# Altium PCB ADC130MSPS-V1-01.PcbDoc (part 3 of 7) (continued)
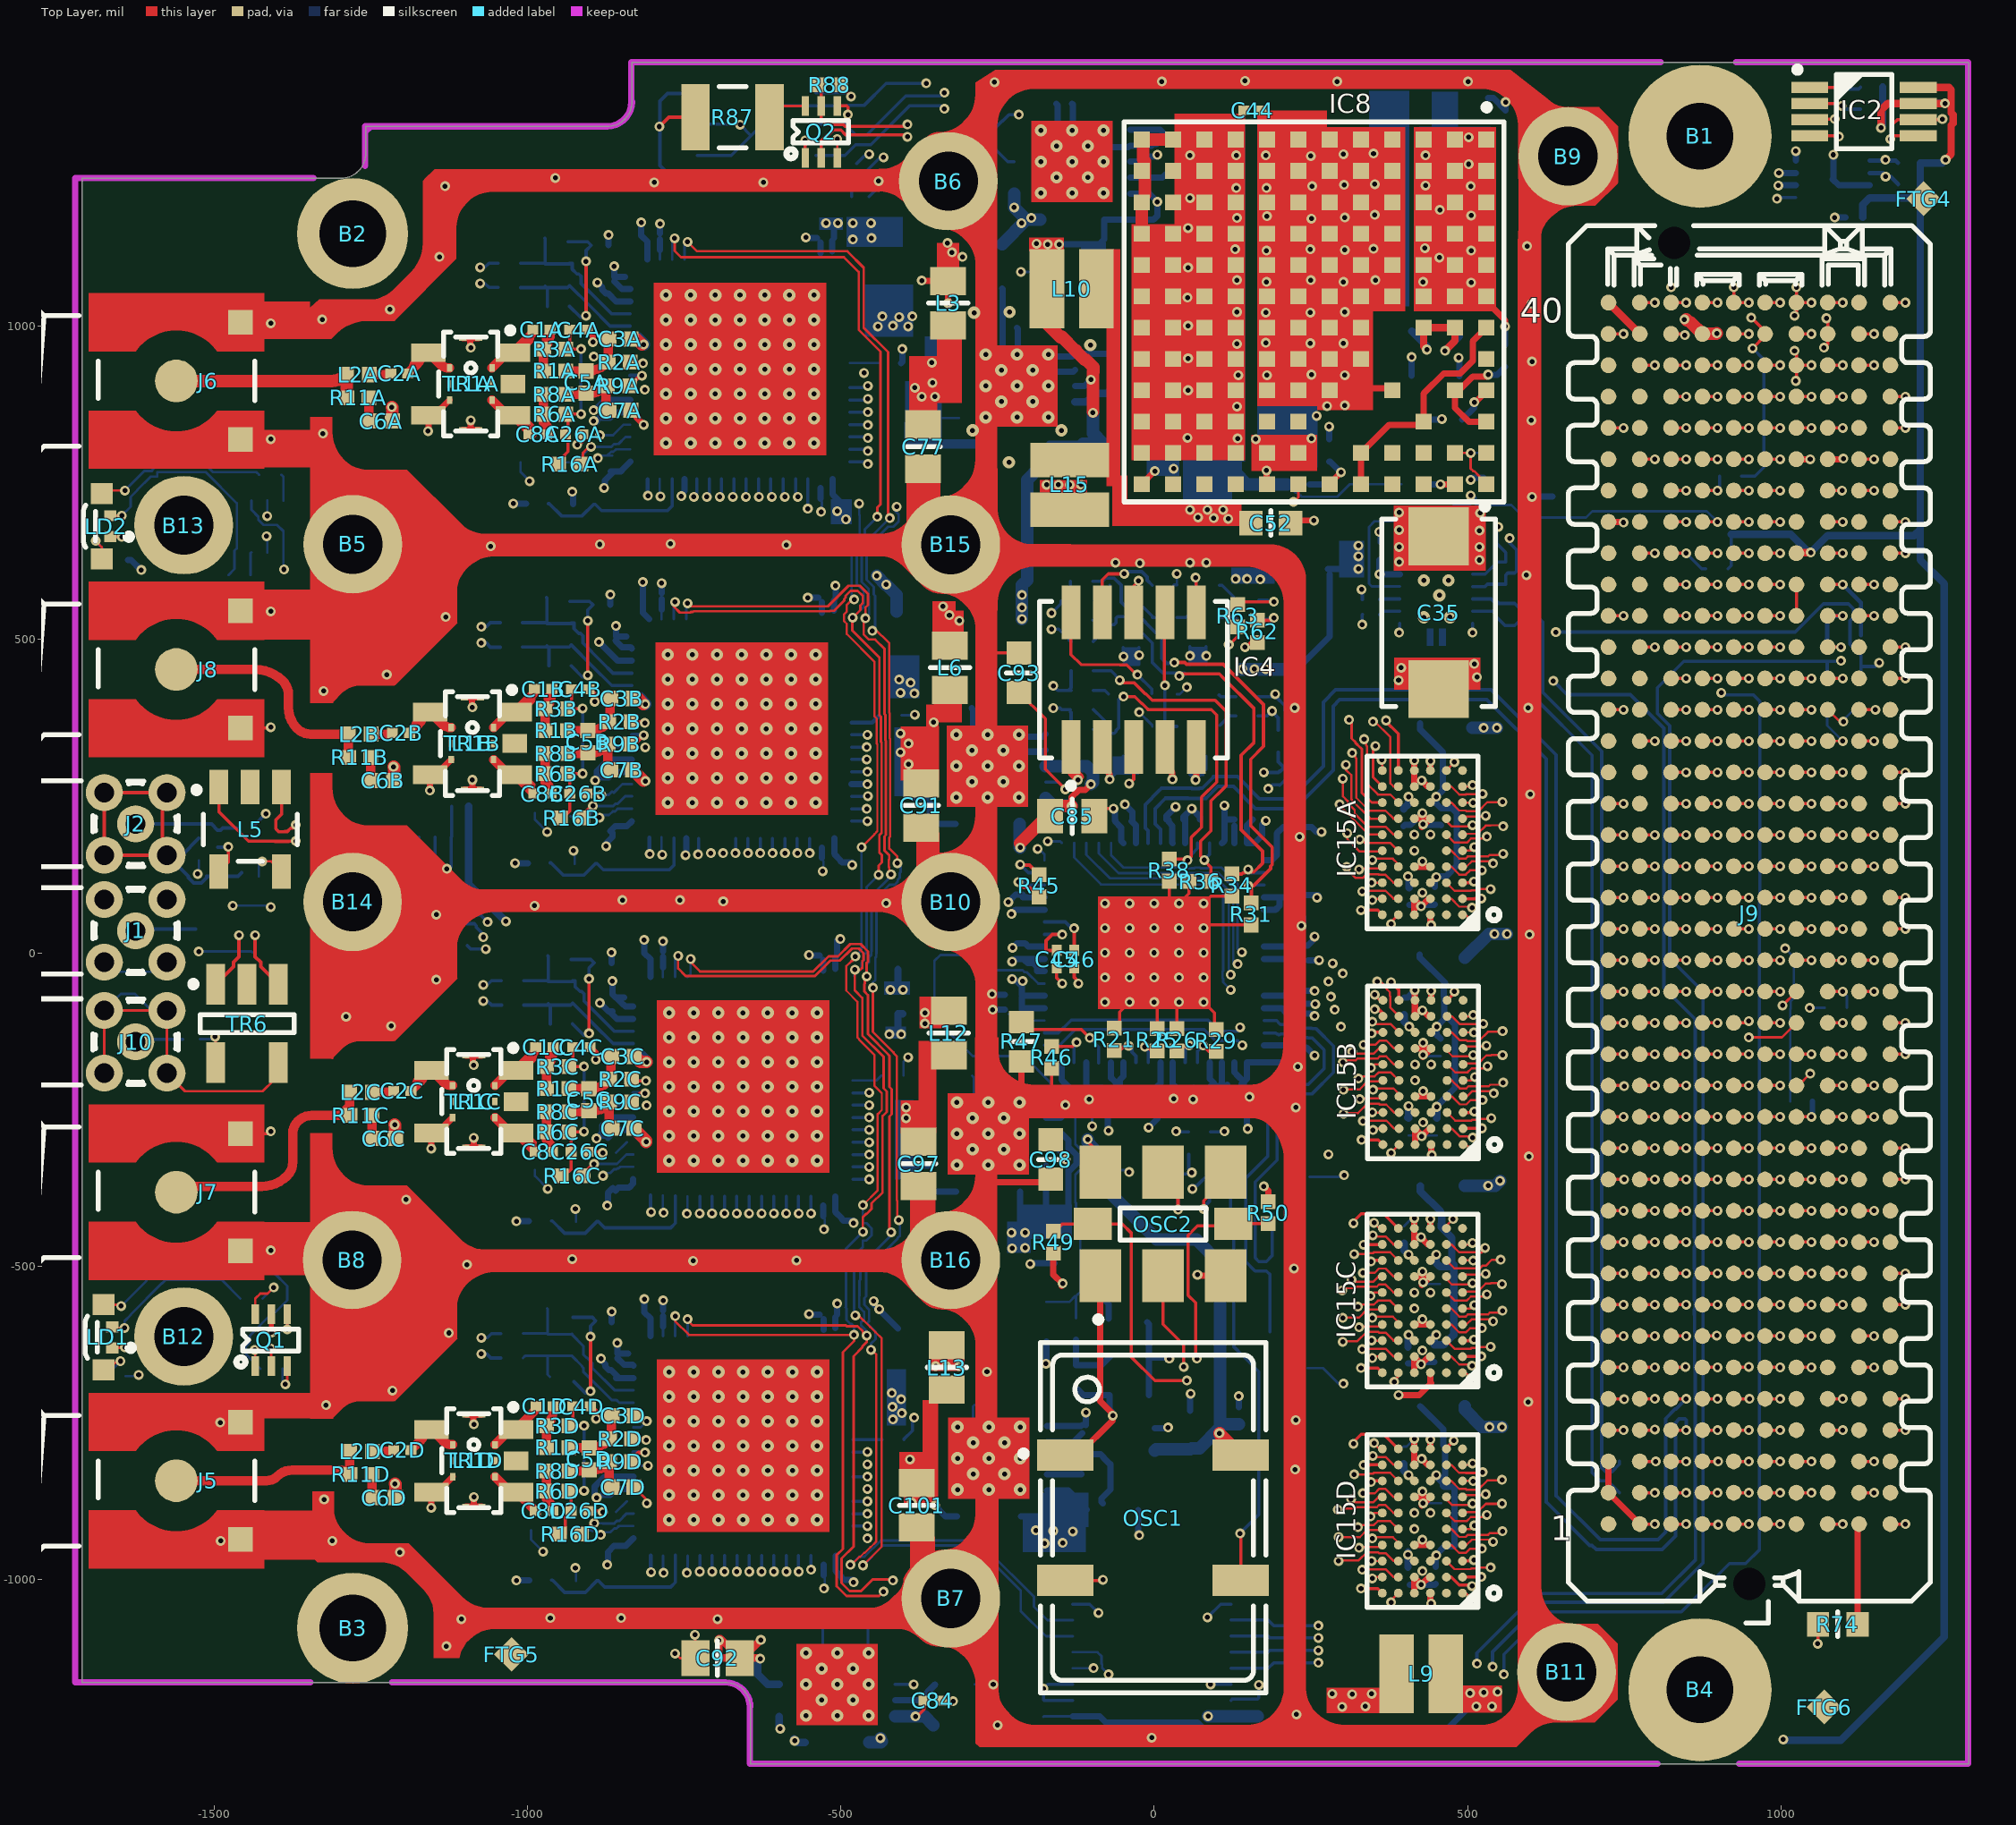
[diagram p0: Top Layer view]
## Nets (pads, with @x,y where several pads share a name; then routed paths per layer and width w, separated by ;. In a path a pad name is that pad's centre, name@x,y a point inside that pad or via, vN(x,y) a via of type N, cw(c..) or ccw(c..) an arc to the next point about the centre after c; other vN are vias at no path point) (continued)
  Bottom Layer w5: IC1A.42@-486,902.2 -459.66,902.2 v1(-457,904.86)
CH1.DA1: IC1A.43 IC15A.J6 | length 1292.8
  Top Layer w4: v1(353,330) 349.13,326.13 349.13,280.24 IC15A.J6@364.02,265.35
  L3 w5: v1(-457,884.11) -440,884.11 -381.26,825.37 -362.39,825.37 -339.67,802.66 -295.98,802.66 -194.32,701 -2,701 33,736 155.64,736 290.5,601.14 290.5,426.56 334.63,382.43 334.63,363.05 335.36,362.31 335.03,361.97 353,344 v1@353,331 ; v1@352.5,330.5 v1(353,330)
  Bottom Layer w5: IC1A.43@-486,882.52 -458.59,882.52 v1(-457,884.11)
CH1.DA2: IC1A.44 IC15A.H5 | length 1320.9
  Top Layer w3.5: v1(335,341) 338,338 338,331 339.38,329.62 339.38,270.25 357,252.62 376.75,252.62 IC15A.H5@389.61,239.76
  L3 w5: v1(-457,863.37) -440,863.37 -393.01,816.37 -364.71,816.37 -342.99,794.66 -299.3,794.66 -248.3,743.66 -199.64,695 -198.64,694 -197.64,693 -184.09,693 4,693 39,728 150.91,728 281.5,597.41 281.5,422.81 325.63,378.68 325.63,350.37 v1(335,341)
  Bottom Layer w5: IC1A.44@-486,862.83 -457.53,862.83 v1(-457,863.37)
CH1.DA3: IC1A.45 IC15A.H6 | length 1268.9
  Top Layer w4: v1(311,372) 312,372 313,373 315,373 315,342.33 321.13,336.21 321.13,335.25 329.25,327.13 330.21,327.13 331.63,325.71 331.63,255.37 347.24,239.76 IC15A.H6@364.02,239.76
  L3 w5: v1(-457,842.62) -440,842.62 -404.76,807.37 -367.02,807.37 -346.3,786.66 -302.61,786.66 -251.61,735.66 -202.95,687 -201.95,686 -200.95,685 -188.82,685 34,685 36,683 40.82,678.18 188,678.18 189.18,677 190.25,677 228,639.25 268,599.25 269.5,597.75 271.5,595.75 271.5,594.68 272.5,593.68 272.5,466.41 272,465.91 272,411 v1(311,372)
  Bottom Layer w5: IC1A.45@-486,843.15 -457.53,843.15 v1(-457,842.62)
CH1.DA4: IC1A.46 IC15A.G5 | length 1304.5
  Top Layer w3.5: v1(316,319) 320,323 321,323 321,311.61 322.5,310.11 322.5,247.5 343.19,226.81 369.26,226.81 381.9,214.17 IC15A.G5@389.61,214.17
  L3 w5: v1(-457,821.87) -440,821.87 -416.5,798.37 -369.33,798.37 -349.62,778.66 -305.92,778.66 -204.27,677 30.69,677 37.5,670.18 183.27,670.18 184.46,669 186.94,669 263.5,592.44 263.5,470.14 263,469.64 263,407.27 296.63,373.65 296.63,371.23 297.41,370.44 297.41,337.59 v1(316,319)
  Bottom Layer w5: IC1A.46@-486,823.46 -458.59,823.46 v1(-457,821.87)
CH1.DA5: IC1A.47 IC15A.G6 | length 1262.4
  Top Layer w3.5: v1(306,300) 306,291.62 306.64,291.62 314.62,283.64 314.62,245.42 315.12,244.92 315.12,243.88 344.83,214.17 IC15A.G6@364.02,214.17
  L3 w3.5: v1(306,300) 306,308.67
  L3 w5: v1(-457,801.12) -440,801.12 -428.25,789.37 -371.65,789.37 -352.93,770.66 -309.24,770.66 -207.58,669 27.37,669 34.19,662.18 178.54,662.18 179.73,661 183.63,661 254.5,590.13 254.5,473.87 254,473.37 254,403.54 287.63,369.92 287.63,368.92 289.41,367.13 289.41,332.86 301.63,320.65 301.63,313.05 306,308.67
  Bottom Layer w5: IC1A.47@-486,803.78 -459.66,803.78 v1(-457,801.12)
CH1.DA6: IC1A.48 IC15A.F5 | length 1285.5
  Top Layer w3.5: v1(301,278) 301,249.62 301.23,249.62 308.62,242.23 308.62,239.38 320,228 320,222 340.79,201.21 369.26,201.21 381.9,188.57 IC15A.F5@389.61,188.57
  L3 w5: v1(-457,780.37) -373.96,780.37 -356.24,762.66 -312.55,762.66 -210.89,661 24.06,661 30.88,654.18 173.82,654.18 175,653 180.31,653 245.5,587.81 245.5,477.6 245,477.1 245,400.23 281.41,363.82 281.41,328.13 291.63,317.92 291.63,294.05 v1@300.05,285.63
  Bottom Layer w5: IC1A.48@-486,784.09 -460.72,784.09 v1(-457,780.37)
CH1.DA7: IC1A.51 IC15A.F6 | length 1397.1
  Top Layer w3.5: v1(296,237) 294,235 296,235 342.43,188.57 IC15A.F6@364.02,188.57
  L3 w5: v1@-552.02,709 -552.02,697.02 -526.37,671.37 -396.07,671.37 -351.42,716.02 -285.02,716.02 -214,645 177,645 236,586 236,397.91 273.41,360.5 273.41,318.41 283,308.82 283,248 v1@295,236
  Bottom Layer w5: v1(-553,709) -552.93,709.07 IC1A.51@-552.93,756.54
CH1.DA8: IC1A.52 IC15A.E5 | length 1328.5
  Top Layer w3.5: v1@330,182 336.38,175.62 376.66,175.62 389.3,162.98 IC15A.E5@389.61,162.98
  L3 w5: v1(-568.89,728) -568.89,686.05 -545.21,662.37 -445.55,662.37 -443.55,660.37 -441.86,660.37 -435.49,654 -432.66,654 -355,576.34 -355,545.46 -323.54,514 -230.73,514 -172.1,455.37 -148.83,455.37 -131.63,438.17 -131.63,425.42 -115.63,409.42 -115.63,398.9 -79.35,362.63 -6.06,362.63 -3.06,365.63 129.12,365.63 129.49,366 138.31,366 139.57,367.25 213.26,367.25 275,305.51 275,238 279.63,233.37 279.63,230.37 282.48,230.37 300.85,212 301,212 307.63,205.37 313.95,205.37 322.37,196.95 322.37,190.63 328,185 v1(328,181)
  Bottom Layer w5: IC1A.52@-572.61,756.54 -572.61,731.72 v1(-568.89,728)
CH1.DA9: IC1A.53 IC15A.E6 | length 1326.4
  Top Layer w3.5: v1@308,189.38 308,181.73 328.11,161.62 362.66,161.62 IC15A.E6@364.02,162.98
  L3 w5: v1(-589.64,728) -589.64,693.96 -549.06,653.37 -449.28,653.37 -448.28,652.37 -445.17,652.37 -437.8,645 -436.39,645 -364,572.61 -364,541.73 -327.27,505 -234.46,505 -176.83,447.37 -169.85,447.37 -152.15,447.37 -139.63,434.85 -139.63,426.85 -139.63,425.23 -139.63,422.11 -123.63,406.11 -123.63,394.17 -108.46,379 -108.27,379 -107.27,378 -107,378 ; -108,379 -107,378 ; v1@308,189 296.37,200.63 296.37,205.17 279.17,222.37 273.57,222.37 270.63,225.32 270.63,226.37 267,230 267,274.01 267,302.2 229.2,340 211.2,358 197,358 195.75,359.25 184.15,359.25 142.88,359.25 141.63,358 132.8,358 132.43,357.63 0.25,357.63 -0.37,357 -2.75,354.63 -11.83,354.63 -25.09,354.63 -36.17,354.63 -82.67,354.63 -92.67,364.63 -93.63,364.63 -107,378
  Bottom Layer w5: IC1A.53@-592.3,756.54 -592.3,730.66 v1(-589.64,728)
  other v1: 308,191
CH1.DA10: IC1A.54 IC15A.D5 | length 1383.4
  Top Layer w3.5: v1@347.07,147.07 v1(348,148) 350.03,150.03 380.97,150.03 389.61,141.39 IC15A.D5@389.61,137.39
  L3 w5: v1(-610.39,728) -610.39,703.39 -551.37,644.37 -448.49,644.37 -373,568.89 -373,538 -331,496 -238.18,496 -181.56,439.37 -155.46,439.37 -147.63,431.54 -147.63,418.79 -131.63,402.79 -131.63,389.44 -97.81,355.63 -94.98,355.63 -85.98,346.63 0.57,346.63 3.57,349.63 135.74,349.63 136.12,350 144.94,350 146.19,351.25 191.02,351.25 192.27,350 207.88,350 259,298.88 259,220 264.63,214.37 275.85,214.37 288.37,201.85 288.37,190.63 293.63,185.37 293.63,185.05 302.05,176.63 302.37,176.63 330,149 v1@346,149 ; v1@346,148 v1(348,148)
  Bottom Layer w5: IC1A.54@-611.98,756.54 -611.98,729.59 v1(-610.39,728)
CH1.DA11: IC1A.55 IC15A.D6 | length 1384.3
  Top Layer w3.5: v1@325,135 325.62,134.38 361.01,134.38 IC15A.D6@364.02,137.39
  L3 w5: v1(-631.14,728) -631.14,664.78 -576.36,610 -502,610 -501.37,609.37 -499.32,609.37 -485.63,595.68 -485.63,595 -473,595 -412.27,534.27 -382,534.27 -334.73,487 -241.91,487 -174.37,419.46 -174.37,418.05 -168.33,412 -152.15,412 -139.63,399.48 -139.63,384.71 -101.54,346.63 -97.3,346.63 -89.3,338.63 -42.79,338.63 -31.72,338.63 -5.21,338.63 3.88,338.63 6.25,341 6.88,341.63 139.06,341.63 139.43,342 148.25,342 149.51,343.25 177.52,343.25 186.29,343.25 187.54,342 204.57,342 222.57,324 251,295.57 251,267.38 251,218.43 251,213 257.63,206.37 272.54,206.37 280.37,198.54 280.37,183.63 312.31,151.69 313.21,151.69 314.52,150.37 314.95,150.37 323.37,141.95 323.37,140.63 328,136 v1@328,134
  Bottom Layer w5: IC1A.55@-631.67,756.54 -631.67,728.53 v1(-631.14,728)
  other v1: 327,133
CH1.DA12: IC1A.56 IC15A.C5 | length 1445.7
  Top Layer w3.5: v1@306,137 306,134.73 321.36,119.38 332.64,119.38 338.89,125.62 357.61,125.62 358.79,124.44 369.26,124.44 381.9,111.8 IC15A.C5@389.61,111.8
  L3 w5: v1(-651.89,728) -651.89,668.92 -581.63,598.66 -516.66,598.66 -514.95,600.37 -503.05,600.37 -494.63,591.95 -494.63,589.9 -490.73,586 -476.73,586 -416,525.27 -385.73,525.27 -338.46,478 -245.64,478 -171.64,404 -155.46,404 -147.63,396.17 -147.63,379.99 -105.27,337.63 -99.61,337.63 -92.61,330.63 7.19,330.63 10.19,333.63 142.37,333.63 142.75,334 151.57,334 152.82,335.25 181.56,335.25 182.82,334 201.25,334 243,292.25 243,207.06 248.57,201.48 247.16,200.07 253.37,193.85 253.37,191.31 253.63,191.06 253.63,187.46 261.46,179.63 265.37,179.63 309,136 307,136 307.25,136.25 v1(307.25,137.32)
  Bottom Layer w5: v1(-651.89,728) -651.35,728.53 IC1A.56@-651.35,756.54
CH1.DA13: IC1A.57 IC15A.C6 | length 1423.8
  Top Layer w3.5: v1(347,112) 347.2,111.8 IC15A.C6@364.02,111.8
  L3 w5: v1(-672.63,728) -672.63,676.94 -577.07,581.37 -546.37,581.37 -538,573 -516.33,573 -514.95,571.63 -506.95,571.63 -484.95,549.63 -473.05,549.63 -470.67,552 -457,552 -415.18,510.18 -385,510.18 -320.45,445.63 -226,445.63 -190.37,410.01 -190.37,404.21 -174.37,388.21 -174.37,385.09 -166.54,377.25 -157.62,377.25 -108.99,328.63 -101.92,328.63 -95.92,322.63 -49.42,322.63 -38.34,322.63 1.42,322.63 10.51,322.63 12.88,325 13.51,325.63 145.68,325.63 146.06,326 154.88,326 156.13,327.25 170.89,327.25 172.75,327.25 174,326 197.94,326 215.94,308 235,288.94 235,260.76 235,225.06 235,205.06 233.63,203.69 237.63,199.7 237.63,198.29 245.37,190.54 245.37,188 245.63,187.75 245.63,184.15 258.15,171.63 260.65,171.63 ; 261,171.63 260.65,171.63 ; 301.62,122.62 301.3,122.94 ; v1(347,112) 338.33,112 337.95,112.37 337.63,112.37 336,114 311,114 302.06,122.94 301.3,122.94 ; 260.65,171.63 292.63,139.65 292.63,131.61 301.3,122.94
  Bottom Layer w5: v1(-672.63,728) -671.04,729.59 IC1A.57@-671.04,756.54
CH1.DA14: IC1A.58 IC15A.B5 | length 1488.8
  Top Layer w3.5: v1(332,98) 332.85,98.85 369.26,98.85 381.9,86.21 IC15A.B5@389.61,86.21
  L3 w5: v1(-693.38,728) -693.38,684.96 -533.42,525 -494.06,525 -466.78,497.73 -385.27,497.73 -324.18,436.63 -229.73,436.63 -198.37,405.28 -198.37,400.89 -182.37,384.89 -182.37,381.77 -169.85,369.25 -162.35,369.25 -112.72,319.63 -104.24,319.63 -99.24,314.63 -52.74,314.63 -41.66,314.63 4.74,314.63 13.82,314.63 16.2,317 16.82,317.63 149,317.63 149.37,318 158.2,318 158.82,318.63 159.45,319.25 167.58,319.25 168.02,319.25 169.27,318 194.63,318 227,285.63 227,208.37 217.37,198.75 217.37,188.08 217.63,187.83 217.63,179.05 252.41,144.26 267.46,144.26 278.35,133.37 278.79,133.37 305.37,106.79 305.37,106.35 313.73,98 v1(332,98)
  Bottom Layer w5: v1(-693.38,728) -690.72,730.66 IC1A.58@-690.72,756.54
CH1.DA15: IC1A.59 IC15A.B6 | length 1426.7
  Top Layer w3.5: v1(348,84) 348,85 349.21,86.21 IC15A.B6@364.02,86.21
  L3 w5: v1(-714.13,728) -714.13,692.98 -535.61,514.46 -496.24,514.46 -470.51,488.73 -389,488.73 -327.9,427.63 -233.46,427.63 -206.37,400.55 -206.37,397.58 -190.37,381.58 -190.37,378.46 -173.17,361.25 -167.08,361.25 -116.45,310.63 -106.55,310.63 -102.55,306.63 -56.05,306.63 17.14,306.63 20.14,309.63 96.37,309.63 173.63,232.37 186.85,232.37 187.23,232 191,232 208.37,214.63 208.37,184.35 208.63,184.1 208.63,176.58 248.94,136.26 264.15,136.26 275.04,125.37 275.48,125.37 297.37,103.48 297.37,103.04 303.31,97.1 303.31,95.47 307.89,90.89 ; 308,91 315.37,83.63 347.63,83.63 v1(348,84)
  Bottom Layer w5: v1(-714.13,728) -710.41,731.72 IC1A.59@-710.41,756.54
CH1.OF_A: IC1A.60 IC15A.A6 | length 1447.9
  Top Layer w5: v1(330,68) 356.65,68 IC15A.A6@364.02,60.62
  L3 w5: v1(-734.88,728) -734.88,701 -539.34,505.46 -499.97,505.46 -474.24,479.73 -392.73,479.73 -331.63,418.63 -237.18,418.63 -214.37,395.82 -214.37,394.27 -198.37,378.27 -198.37,375.15 -176.48,353.25 -171.8,353.25 -120.18,301.63 -108.86,301.63 -105.86,298.63 -59.36,298.63 20.45,298.63 23.45,301.63 56.69,301.63 93.06,301.63 124.69,270 170.69,224 172.09,224 172.46,224.37 183.54,224.37 183.91,224 199,208.91 199,203 199.37,203.37 199.37,180.63 199.63,180.37 199.63,174.26 245.63,128.26 260.84,128.26 271.73,117.37 272.17,117.37 289.37,100.17 289.37,99.73 295.31,93.79 295.31,90.74 318.06,68 v1@328,68
  Bottom Layer w5: v1(-734.88,728) -730.09,732.78 IC1A.60@-730.09,756.54
CH2.CLKOUTA: IC1B.41 IC15B.K5 | length 1095.4
  Top Layer w5: v3(378,-47) 390.64,-59.64 IC15B.K5@390.64,-75.91
  L3 w5: v1@-459,348.11 -458.42,348.11 -444.63,334.32 -444.63,333.74 -341.89,231 -147.91,231 -119.46,202.54 -10,202.54 -2,210.54 146.71,210.54 155.94,201.31 161.26,201.31 242.31,120.26 257.52,120.26 268.41,109.37 268.85,109.37 281.37,96.85 281.37,96.41 287.31,90.47 287.31,58.85 348,-1.83 348,-20 360.63,-32.63 361.54,-32.63 369.37,-40.46 369.37,-41.37 375,-47 v3(378,-47)
  Bottom Layer w5: IC1B.41@-483.28,347.89 -460.89,347.89 v1@-460,347
  other v1: -458,348
CH2.DA0: IC1B.42 IC15B.J5 | length 1108
  Top Layer w3.5: v3(356,-46) 361.38,-46 365.38,-50 365.38,-52.23 372,-58.85 372,-59 376,-63 376,-69.24 376.88,-70.12 376.88,-87.74 IC15B.J5@390.64,-101.5
  L3 w5: v1(-459,328.36) -458.42,328.36 -444.63,314.57 -444.63,313.99 -394.51,263.87 -387.51,263.87 -345.63,222 -185.85,222 -184.85,223 -151.23,223 -140.85,212.63 -122.77,194.54 -118.54,194.54 -32.83,194.54 -6.69,194.54 1.31,202.54 143.4,202.54 152.63,193.31 157.95,193.31 239,112.26 254.21,112.26 265.1,101.37 265.54,101.37 273.37,93.54 273.37,93.1 276.37,90.1 276.37,58.48 293.37,41.48 340,-5.15 340,-12.06 340,-28 v3@357,-45
  Bottom Layer w5: IC1B.42@-483.28,328.2 -459.16,328.2 v1(-459,328.36)
CH2.DA1: IC1B.43 IC15B.J6 | length 1081.9
  Top Layer w5: v3(352,-90) 355,-87 365.05,-97.05 IC15B.J6@365.05,-101.5
  L3 w5: v1(-459,308.61) -452.76,302.37 -452.46,302.37 -444.63,294.54 -444.63,294.24 -405.26,254.87 -391.23,254.87 -349.36,213 -183.54,213 -181.54,215 -154.54,215 -126.09,186.54 -3.37,186.54 4.63,194.54 140.08,194.54 149.31,185.31 154.64,185.31 231,108.95 231,103.63 233,101.63 233,83.63 244.25,72.37 251.17,72.37 332,-8.46 332,-69 v3@353,-90
  Bottom Layer w5: IC1B.43@-483.28,308.52 -459.09,308.52 v1(-459,308.61)
CH2.DA2: IC1B.44 IC15B.H5 | length 1107
  Top Layer w3.5: v3@353.22,-114.22 377.77,-114.22 IC15B.H5@390.64,-127.09
  L3 w5: v3(-458,289) -458.87,289 -459,288.87 -458.42,288.87 -444.63,275.07 -444.63,274.49 -416.01,245.87 -394.96,245.87 -353.09,204 -181.23,204 -178.23,207 -157.85,207 -129.4,178.54 -0.06,178.54 7.94,186.54 136.77,186.54 146,177.31 151.32,177.31 223,105.64 223,100.31 225,98.31 225,80.31 240.94,64.37 247.85,64.37 324,-11.77 324,-85 v3@348,-109
  Bottom Layer w5: IC1B.44@-483.28,288.83 -459.03,288.83 -458.87,289 v3(-458,289)
  other v3: 348,-110
CH2.DA3: IC1B.45 IC15B.H6 | length 1078.1
  Top Layer w5: v1(347.02,-128.84) 348.78,-127.09 IC15B.H6@365.05,-127.09
  L3 w5: v1@-452.12,269.12 -420,237 ; -420,236.87 -398.69,236.87 -356.82,195 -178.37,195 -178.37,195.54 -174.91,199 -161.17,199 -132.71,170.54 3.25,170.54 11.25,178.54 133.46,178.54 217,95 217,77 237.63,56.37 244.54,56.37 316,-15.09 316,-101 343.84,-128.84 v1(347.02,-128.84)
  Bottom Layer w10: IC1B.45@-483.28,269.15 v1@-459.03,269.15
  other v1: -458,269
CH2.DA4: IC1B.46 IC15B.G5 | length 1164.6
  Top Layer w3.5: v1(334.02,-146.84) 353.01,-146.84 359.81,-140.04 370.28,-140.04 382.92,-152.68 IC15B.G5@390.64,-152.68
  L3 w5: v1@-459,249.37 -452.91,249.37 -372,168.46 -372,126.65 -390.24,108.41 -390.24,101.76 -391,101 -391,54.18 -340.82,4 -295.27,4 -240,-51.27 -240,-60 -184.63,-115.37 -46.55,-115.37 78.37,-115.37 127,-164 196.37,-164 215,-145.37 240.9,-145.37 245.27,-141 245.94,-141 246.32,-140.63 265.68,-140.63 267.52,-142.47 319,-142.47 320,-143.47 321.98,-143.47 325.35,-146.84 v1(334.02,-146.84)
  Bottom Layer w5: IC1B.46@-483.28,249.46 -459.54,249.46 v1@-459,250
  other v1: -457,250
CH2.DA5: IC1B.47 IC15B.G6 | length 1175.3
  Top Layer w3.5: v1(316.02,-157.84) 319.52,-161.34 350.14,-161.34 358.81,-152.68 IC15B.G6@365.05,-152.68
  L3 w5: v1(-459,229.62) -458.42,229.62 -447.8,219 -435.27,219 -381,164.73 -381,130.38 -399.24,112.14 -399.24,105.49 -400,104.73 -400,50.46 -344.54,-5 -299,-5 -282.37,-21.63 -282.37,-75.68 -281.73,-76.33 -281.73,-104 -263.73,-122 -189.31,-122 -187.94,-123.37 -172.35,-123.37 -171.35,-124.37 -167.35,-124.37 -130.73,-161 -91,-161 -79.37,-172.63 206.03,-172.63 221.03,-157.63 242.05,-157.63 249,-150.67 ; 249,-150 249,-150.67 ; v1(316.02,-157.84) 270.17,-157.84 261.95,-149.63 250.05,-149.63 249,-150.67
  Bottom Layer w5: IC1B.47@-483.28,229.78 -459.16,229.78 v1(-459,229.62)
CH2.DA6: IC1B.48 IC15B.F5 | length 1172.1
  Top Layer w3.5: v1(301.02,-174.84) 304.4,-171.47 321.67,-171.47 324.16,-168.97 356.47,-168.97 359.81,-165.63 370.28,-165.63 382.92,-178.27 IC15B.F5@390.64,-178.27
  L3 w5: v1@-459,209.87 -438.87,209.87 -391,162 -391,133.11 -408.24,115.87 -408.24,109.22 -409,108.46 -409,46.73 -291.37,-70.9 -291.37,-79.41 -290.73,-80.06 -290.73,-107.73 -267.46,-131 -267,-131 -265,-133 -175.46,-133 -175.08,-133.37 -171.08,-133.37 -134.46,-170 -94.73,-170 -91.35,-173.37 -89.94,-173.37 -82.69,-180.63 -81.89,-180.63 131.21,-180.63 168.79,-180.63 203.61,-180.63 205.02,-180.63 206.44,-180.63 209.35,-180.63 223.35,-166.63 238.3,-166.63 250.05,-178.37 261.95,-178.37 265.49,-174.84 v1(301.02,-174.84)
  Bottom Layer w5: IC1B.48@-483.28,210.09 -458.09,210.09 v1(-458,210)
CH2.DA7: IC1B.51 IC15B.F6 | length 1125.1
  Top Layer w3.5: v1(346.02,-183.84) 351.6,-178.27 IC15B.F6@365.05,-178.27
  L3 w5: v1(-549.93,159) -544.56,153.63 -514.07,153.63 -497.09,136.64 -497.09,122.09 -300.37,-74.63 -300.37,-83.14 -299.73,-83.78 -299.73,-115 -270.73,-144 -270.46,-144 -269.73,-144.73 -172.46,-144.73 -138.18,-179 -98.46,-179 -95.08,-182.37 -92.25,-182.37 -86,-188.63 213.25,-188.63 221,-196.37 269.63,-196.37 274,-192 ; 274,-191.84 314.7,-191.84 320.07,-186.47 343.4,-186.47 v1(346.02,-183.84)
  Bottom Layer w5: IC1B.51@-550.21,182.54 -550.21,159.28 v1(-549.93,159)
CH2.DA8: IC1B.52 IC15B.E5 | length 1174.8
  Top Layer w3.5: v1(326.02,-200.84) 329.4,-197.47 351.67,-197.47 357.91,-191.22 377.69,-191.22 390.33,-203.86 IC15B.E5@390.64,-203.86
  L3 w5: v1(-569.68,159) -569.68,158.42 -555.88,144.63 -527.25,144.63 -527,144.37 -523.23,144.37 -514.81,135.95 -514.81,124.9 -312.18,-77.73 -312.18,-115.27 -274.46,-153 -274.18,-153 -273.46,-153.73 -176.18,-153.73 -141.91,-188 -102.18,-188 -98.81,-191.37 -94.57,-191.37 -89.32,-196.63 199.81,-196.63 208.56,-205.37 276.47,-205.37 281,-200.84 v1(326.02,-200.84)
  Bottom Layer w5: IC1B.52@-569.9,182.54 -569.9,159.22 v1(-569.68,159)
CH2.DA9: IC1B.53 IC15B.E6 | length 1163.3
  Top Layer w3.5: v1(302.02,-218.84) 302.65,-218.22 327.91,-218.22 340.91,-205.22 363.69,-205.22 IC15B.E6@365.05,-203.86
  L3 w5: v1(-589.43,159) -589.43,158.42 -533.01,102 -504.64,102 -321.18,-81.46 -321.18,-119 -278.18,-162 -277.91,-162 -277.18,-162.73 -179.91,-162.73 -145.64,-197 -105.91,-197 -102.54,-200.37 -96.88,-200.37 -92.63,-204.63 195.08,-204.63 204.83,-214.37 254.41,-214.37 259.12,-219.08 272.37,-219.08 272.61,-218.84 v1(302.02,-218.84)
  Bottom Layer w5: IC1B.53@-589.58,182.54 -589.58,159.16 v1(-589.43,159)
CH2.DA10: IC1B.54 IC15B.D5 | length 1223.9
  Top Layer w3.5: v1@348.1,-219.77 v1(349.02,-218.84) 351.06,-216.81 381.99,-216.81 390.64,-225.46 IC15B.D5@390.64,-229.45
  L3 w5: v1(-609.17,159) -609.17,158.42 -543.75,93 -508.37,93 -330.18,-85.18 -330.18,-122.73 -281.91,-171 -281.64,-171 -280.91,-171.73 -183.64,-171.73 -149.37,-206 -109.64,-206 -106.27,-209.37 -99.19,-209.37 -95.94,-212.63 190.35,-212.63 201.1,-223.37 250.69,-223.37 260.53,-233.22 307.98,-233.22 322.35,-218.84 v1(349.02,-218.84)
  Bottom Layer w5: IC1B.54@-609.27,182.54 -609.27,159.09 v1(-609.17,159)
CH2.DA11: IC1B.55 IC15B.D6 | length 1226.3
  Top Layer w3.5: v1@326.02,-231.84 326.65,-232.47 362.03,-232.47 IC15B.D6@365.05,-229.45
  L3 w5: v1(-628.92,159) -628.92,158.42 -554.5,84 -512.1,84 -339.18,-88.91 -339.18,-126.46 -285.64,-180 -285.37,-180 -284.64,-180.73 -187.37,-180.73 -153.1,-215 -113.37,-215 -109.99,-218.37 -101.51,-218.37 -99.26,-220.63 -98.46,-220.63 -97.71,-221.37 -82.63,-221.37 -56,-248 56.09,-248 56.46,-248.37 67.54,-248.37 67.91,-248 194.37,-248 210,-232.37 246.96,-232.37 256.8,-242.22 319.65,-242.22 v1(328.02,-233.84)
  Bottom Layer w5: v1@-628.95,159.03 IC1B.55@-628.95,182.54
CH2.DA12: IC1B.56 IC15B.C5 | length 1282.5
  Top Layer w3.5: v1(302.02,-256.84) 302.02,-255.84 325.29,-255.84 339.91,-241.22 358.63,-241.22 359.81,-242.4 370.28,-242.4 382.92,-255.04 IC15B.C5@390.64,-255.04
  L3 w5: v1(-648.67,159) -648.67,158.42 -565.25,75 -515,75 -348.18,-91.82 -348.18,-130.18 -289.37,-189 -289.1,-189 -288.37,-189.73 -191.1,-189.73 -156.82,-224 -135.67,-224 -127.63,-232.05 -127.63,-245.74 -117.74,-255.63 -107.85,-255.63 -90.15,-255.63 -88.15,-257.63 216.3,-257.63 220.05,-261.37 297.49,-261.37 v1(302.02,-256.84)
  Bottom Layer w5: v1(-648.67,159) IC1B.56@-648.64,182.54
CH2.DA13: IC1B.57 IC15B.C6 | length 1299
  Top Layer w3.5: v1(348.02,-254.84) 348.22,-255.04 IC15B.C6@365.05,-255.04
  L3 w5: v1(-668.42,159) -668.42,158.42 -576,66 -565.33,66 -500.95,1.63 -500.95,-25.32 -487.86,-38.41 -487.86,-38.68 -486.14,-40.41 ; -185,-212 -156.37,-240.63 -156.37,-248.95 -151.66,-253.66 ; -184.96,-211.96 -198.2,-198.73 -384.54,-198.73 -456.27,-127 -456.27,-70.27 -485.88,-40.66 ; -151,-253 -140.37,-263.63 -93.46,-263.63 -90.46,-266.63 -15.54,-266.63 -14.54,-265.63 -3.46,-265.63 -2.46,-266.63 212.57,-266.63 216.32,-270.37 283.37,-270.37 285.36,-272.36 299.23,-272.36 300.38,-271.22 307.98,-271.22 324.35,-254.84 326.7,-254.84 327.07,-254.47 338.98,-254.47 339.35,-254.84 v1(348.02,-254.84) ; -486.14,-40.41 -485.88,-40.66 ; -486.14,-40.41 -485.92,-40.41 -485.66,-40.66 -485.88,-40.66
  Bottom Layer w5: v1(-668.42,159) -668.32,159.09 IC1B.57@-668.32,182.54
CH2.DA14: IC1B.58 IC15B.B5 | length 1367.9
  Top Layer w3.5: v1(333.02,-268.84) 333.88,-267.99 370.28,-267.99 382.92,-280.63 IC15B.B5@390.64,-280.63
  L3 w5: v1(-688.17,159) -688.17,158.42 -586.75,57 -572.62,57 -509.95,-5.67 -509.95,-29.05 -496.86,-42.14 -496.86,-42.41 -465.27,-74 -465.27,-130.73 -414,-182 -395.54,-200.46 -394.13,-200.46 -387.86,-206.73 -201.51,-206.73 -193,-215.24 -193,-215.31 -168.63,-239.69 -167.37,-240.94 -167.37,-242.35 -165.37,-244.35 -165.37,-268.63 -136.37,-297.63 -127.59,-297.63 -106.05,-319.16 -46.16,-319.16 -45.95,-319.37 13.17,-319.37 25.92,-306.63 77.41,-306.63 79.16,-308.37 104.95,-308.37 105,-308.33 105.05,-308.37 116.95,-308.37 125.37,-299.95 125.37,-299.28 237.55,-299.28 252.83,-284 300.32,-284 304.11,-280.22 311.71,-280.22 318.08,-273.84 328.02,-273.84 v1(333.02,-268.84)
CH2.DA15: IC1B.59 IC15B.B6 | length 1357.1
  Top Layer w3.5: v1(349.02,-282.84) 349.02,-281.84 350.24,-280.63 IC15B.B6@365.05,-280.63
  L3 w5: v1(-707.91,159) -707.91,158.42 -564.49,15 -550,15 -545.8,10.8 -545.16,10.8 -536.74,2.38 -536.74,2 -535.74,1 -535,1 -518.95,-15.05 -518.95,-32.77 -505.86,-45.86 ; -506,-46 -505.86,-46.14 -474.27,-77.73 -474.27,-134.46 -423,-185.73 -400.27,-208.46 -398.86,-208.46 -397.44,-208.46 -391.17,-214.73 -204.82,-214.73 -201,-218.55 -201,-218.63 -178.49,-241.14 -175.37,-244.25 -175.37,-247.08 -174.37,-248.08 -174.37,-272.35 -140.1,-306.63 -131.32,-306.63 -109.78,-328.16 -49.89,-328.16 -49.68,-328.37 17.35,-328.37 22,-323.73 22,-323.27 29.65,-315.63 73.68,-315.63 75.43,-317.37 120.68,-317.37 129.78,-308.28 241.28,-308.28 256.56,-293 304.05,-293 307.83,-289.22 315.43,-289.22 321.43,-283.22 338.98,-283.22 339.35,-282.84 v1(349.02,-282.84)
CH2.OF_A: IC1B.60 IC15B.A6 | length 1401.6
  Top Layer w5: v1(331.02,-298.84) 357.67,-298.84 IC15B.A6@365.05,-306.22
  L3 w5: v1(-728,157) -728,158.66 -727.66,159 -722.29,153.63 -722.29,153.05 -713.87,144.63 -713.29,144.63 -565.48,-3.18 -565.48,-9.53 -557.06,-17.95 -546.51,-17.95 -515,-49.46 -515,-49.73 -483.27,-81.46 -483.27,-138.18 -405,-216.46 -400.76,-216.46 -394.49,-222.73 -208.21,-222.73 -183.37,-247.57 -183.37,-276.08 -143.83,-315.63 -135.05,-315.63 -113.51,-337.16 -53.62,-337.16 -53.41,-337.37 -46.29,-337.37 -45.54,-336.63 -34.46,-336.63 -33.71,-337.37 21.08,-337.37 31.23,-327.23 ; 31,-327 33.37,-324.63 69.95,-324.63 71.7,-326.37 124.41,-326.37 133.5,-317.28 245.01,-317.28 260.29,-302 307.78,-302 310.94,-298.84 v1(331.02,-298.84)
  Bottom Layer w5: v1(-728,157) -728,158.66 -727.38,159.28 IC1B.60@-727.38,182.54
CH3.CLKOUTA: IC1C.41 IC15C.K5 | length 993
  Top Layer w5: v1(318,-432) 318,-433 319,-434 319,-428 330.37,-416.63 366.18,-416.63 IC15C.K5@389.62,-440.06
  L3 w5: v1(-455,-223.46) -442.54,-223.46 -430,-236 ; -429.5,-236.5 -430,-236 ; v1(318,-432) 315,-435 22,-435 -51,-362 -322.23,-361.98 -430,-254.21 -430,-236
  Bottom Layer w5: IC1C.41@-481.2,-223.68 -455.22,-223.68 v1(-455,-223.46)
CH3.DA0: IC1C.42 IC15C.J5 | length 974
  Top Layer w3.5: v1(348.7,-451.28) 350.28,-452.86 v1@351.86,-452.86 ; v1@356,-453 v1@355.86,-452.86 ; IC15C.J5@389.62,-465.65 381.9,-465.65 369.26,-453.01 352.01,-453.01 v1@351.86,-452.86 ; v1@351.86,-452.86 v1@355.86,-452.86 ; v1@351.86,-452.86 351,-452 355,-452 v1@355.86,-452.86
  L3 w5: v1(-455,-243.21) -453.73,-243.21 -325.96,-370.98 -275.16,-370.98 ; -275.14,-371 -274.27,-371 ; -274.25,-370.98 -54.75,-370.98 18.27,-444 100,-444 107.63,-451.63 329.37,-451.63 329.72,-451.28 v1(348.7,-451.28)
  Bottom Layer w5: IC1C.42@-481.2,-243.37 -455.16,-243.37 v1(-455,-243.21)
CH3.DA1: IC1C.43 IC15C.J6 | length 929.5
  Top Layer w5: v1(334,-466) 344,-466 344.35,-465.65 IC15C.J6@364.03,-465.65
  L3 w5: v1(-455,-262.96) -446.71,-262.96 -329.69,-379.98 -278.89,-379.98 -270.54,-380 -58.47,-379.98 14.54,-453 96,-453 109,-466 v1(334,-466)
  Bottom Layer w5: IC1C.43@-481.2,-263.06 -455.09,-263.06 v1(-455,-262.96)
CH3.DA2: IC1C.44 IC15C.H5 | length 959.4
  Top Layer w3.5: v1(319,-481) 338.73,-481 340.36,-479.38 349.64,-479.38 350.64,-478.38 376.75,-478.38 IC15C.H5@389.62,-491.24
  L3 w5: v1(-455,-282.71) -439.69,-282.71 -333.41,-388.98 -282.62,-388.98 ; -282.6,-389 -62.18,-389 10.82,-462 92.27,-462 105.27,-475 109.9,-479.63 175.32,-479.63 194.68,-479.63 310.03,-479.63 311.4,-481 v1(319,-481)
  Bottom Layer w5: IC1C.44@-481.2,-282.74 v1@-455.03,-282.74
CH3.DA3: IC1C.45 IC15C.H6 | length 927.7
  Top Layer w5: v1(346,-493) 347.76,-491.24 IC15C.H6@364.03,-491.24
  L3 w5: v1(-455,-302.46) -432.67,-302.46 -337.14,-397.98 -286.35,-397.98 -65.91,-398 7.09,-471 84.51,-471 102.14,-488.63 306.3,-488.63 313.05,-495.37 341.63,-495.37 345,-492 v1(346,-493)
  Bottom Layer w5: IC1C.45@-481.2,-302.43 v1@-455.03,-302.43
CH3.DA4: IC1C.46 IC15C.G5 | length 967.7
  Top Layer w3.5: v1(333,-511) 351.98,-511 358.79,-504.19 369.26,-504.19 381.9,-516.83 IC15C.G5@389.62,-516.83
  L3 w5: v1(-455,-322.2) -425.65,-322.2 -340.87,-406.98 -290.07,-406.98 ; -290.06,-407 -69.64,-407 3.36,-480 80.78,-480 120.16,-519.37 263.63,-519.37 275,-508 308.67,-508 310.05,-506.63 328.63,-506.63 v1(333,-511)
  Bottom Layer w5: IC1C.46@-481.2,-322.11 -455.09,-322.11 v1(-455,-322.2)